# Altium PCB LimeSDR-USB_1v4.PcbDoc (part 7 of 10) (continued)
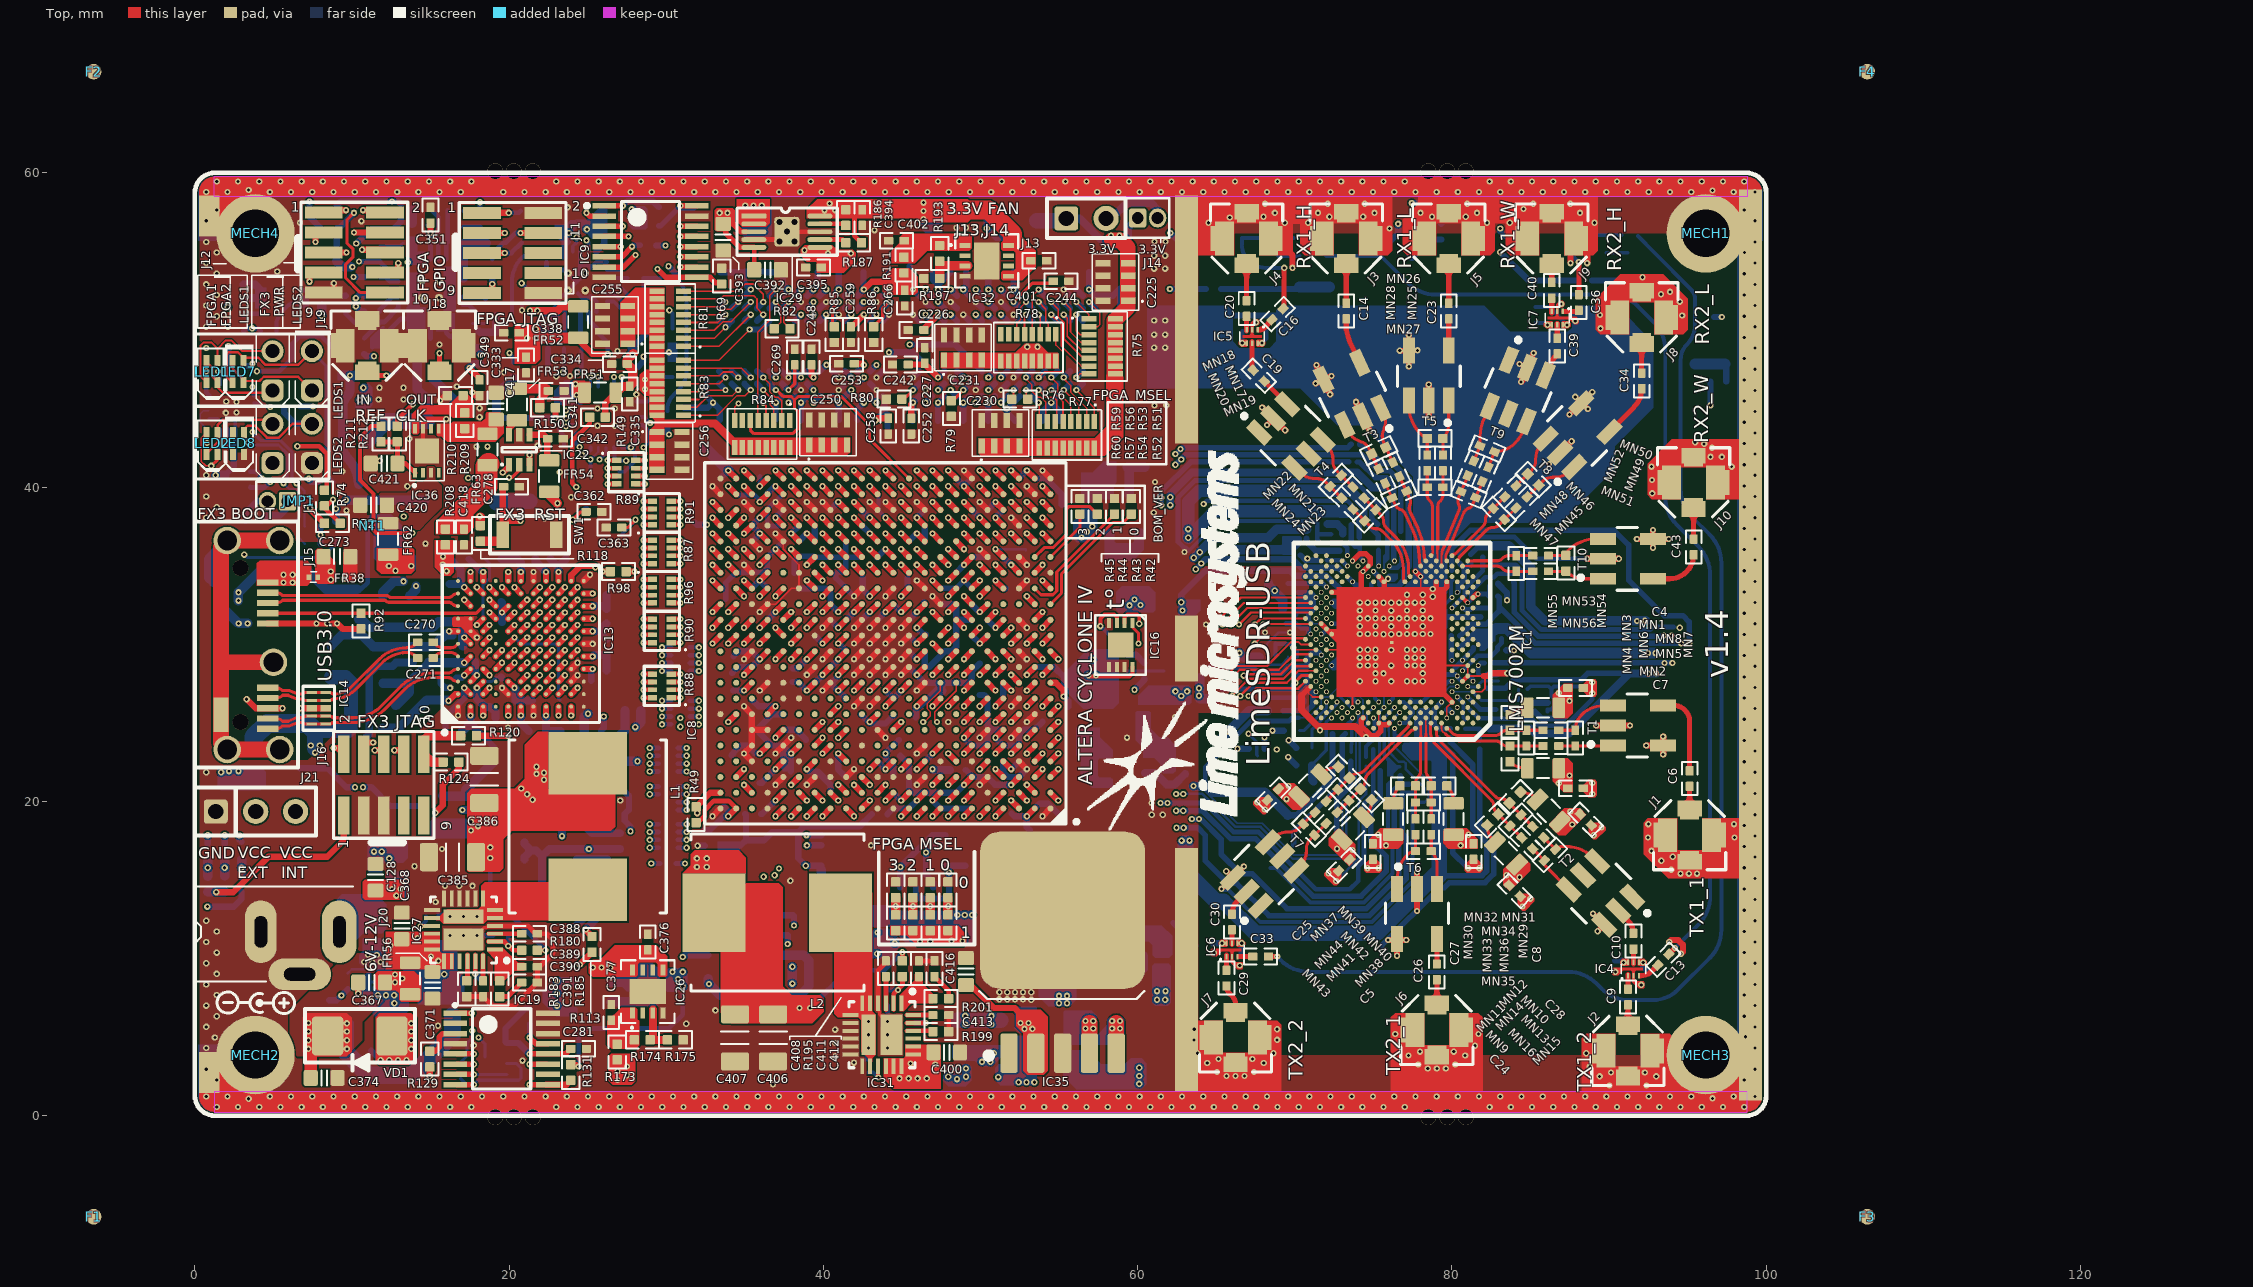
[diagram p0: Top view]
## Nets (pads, with @x,y where several pads share a name; then routed paths per layer and width w, separated by ;. In a path a pad name is that pad's centre, name@x,y a point inside that pad or via, vN(x,y) a via of type N, cw(c..) or ccw(c..) an arc to the next point about the centre after c; other vN are vias at no path point) (continued)
  Bottom w0.4: R122.2@3.25,37.85 3.25,38.4 3.95,39.1 J17.2@4.63,39.1
  Bottom w0.5: v1(17.025,19.45) 18.125,19.45 19.175,18.4 R121.2@20.975,18.4 21.75,18.4 22.095,18.745 IC15.1@22.095,19.85
NetIC15_3: IC15.3 R126.2 | length 3.9
  Bottom w0.5: IC15.3@24.635,19.85 24.635,18.615 25.275,17.975 R126.2@27.075,17.975
NetIC15_7: IC15.7 R123.2 | length 2
  Bottom w0.5: R123.2@22.8,13.275 23.365,13.84 IC15.7@23.365,15.05
NetIC17_16: IC17.16 R132.2 | length 1.2
  Bottom w0.3: R132.2@1.475,42.5 1.575,42.6 IC17.16@1.575,43.675
NetIC19_3: IC19.3 R129.2 | length 2.5
  Top w0.35: R129.2@14.95,4.1 15.3,4.1 15.55,4.35 15.55,5 15.775,5.225 IC19.3@16.575,5.225
NetIC20_3: IC20.3 R139.2 | length 1.3
  Bottom w0.3: IC20.3@24.55,51.138 24.55,49.863 R139.2@24.6,49.813
NetIC20_5: IC20.5 R142.2 | length 1.3
  Bottom w0.3: R142.2@23.5,49.813 23.55,49.863 IC20.5@23.55,51.138
NetIC20_24: IC20.24 R136.1 | length 2.5
  Bottom w0.25: IC20.24@26.225,51.813 26.662,51.813 27.5,50.975 27.5,50.35 R136.1@27.675,50.175
NetIC21_1: IC21.1 R143.1 | length 1.2
  Bottom w0.309: IC21.1@6.9,52.525 R143.1@8.075,52.525
NetIC21_2: IC21.2 IC21.3 R145.2 | length 3
  Bottom w0.254: R145.2@5.2,49.925 5.2,50.3 cw(c6.467,50.3) 5.571,51.196 5.875,51.5 ; 5.875,51.5 cw(c6.539,50.836) 6.539,51.775 7,51.775
NetIC21_5: IC21.5 R144.2 | length 1.1
  Bottom w0.3: R144.2@3.1,50.925 3.2,51.025 IC21.5@4.2,51.025
NetIC23_11: IC23.11 R154.1 | length 3.2
  Bottom w0.3: R154.1@10.775,49.475 11.8,50.5 12.05,50.5 12.95,51.4 IC23.11@12.95,51.6
NetIC23_13: IC23.13 R164.2 | length 1.3
  Bottom w0.3: R164.2@11.775,52.275 12.05,52.275 12.375,52.6 IC23.13@12.95,52.6
NetIC23_14: IC23.14 R165.2 | length 1.3
  Bottom w0.3: R165.2@11.775,53.375 12.125,53.375 12.4,53.1 IC23.14@12.95,53.1
NetIC23_19: IC23.19 R161.1 | length 3.4
  Bottom w0.3: R161.1@14.975,57.725 15.5,57.2 IC23.19@15.5,54.5
NetIC24_6: IC24.6 R155.2 R158.1 | length 3.5
  Bottom w0.25: IC24.6@28.1,45.45 28.825,45.45 29.35,45.975 R158.1@29.35,47 R155.2@30.4,47
NetIC26_3: IC26.3 R174.1 R175.1 | length 3.1
  Top w0.5: IC26.3@29.15,6.75 29.15,5 R174.1@28.975,4.825 R175.1@30.075,4.825
NetIC27_2: IC27.2 R180.2 R184.2 | length 3
  Top w0.309: IC27.2@18.7,11.075 IC27.2@19.1,11.075 19.7,11.075 20.25,10.525 R180.2@20.8,10.525
  Bottom w0.309: v1(19.95,10.8) 19.95,11.45 R184.2@19.975,11.475
NetIC27_22: IC27.22 R183.1 | length 1.6
  Top w0.309: R183.1@17.35,8.625 IC27.22@17.35,10.225
NetIC27_23: IC27.23 R181.1 | length 1.8
  Top w0.309: v1(17.85,9.025) IC27.23@17.85,10.225
  Bottom w0.4: v1(17.85,9.025) R181.1@18.3,8.575
NetIC28_3: IC28.3 R179.1 R182.1 | length 2.6
  Bottom w0.6: IC28.3@58.562,10.175 60.354,10.175 60.365,10.164 R182.1@60.365,9.364
NetIC29_7: IC29.7 R187.2 | length 1.7
  Top w0.3: IC29.7@39.775,55.75 41.225,55.75 R187.2@41.425,55.55
NetIC29_9: IC29.9 R186.2 | length 1.7
  Top w0.3: IC29.9@39.775,56.75 41.325,56.75 R186.2@41.425,56.65
NetIC30_3: IC30.3 R189.2 R190.2 | length 3.1
  Bottom w0.5: IC30.3@60.475,21.8 61.121,21.8 61.846,21.075 R189.2@61.925,21.075 62.35,21.075 R190.2@63.025,21.75
NetIC31_2: IC31.2 R195.2 R200.1 | length 3
  Top w0.309: IC31.2@44.475,6.75 IC31.2@44.475,7.15 44.475,7.75 45.025,8.3 R195.2@45.025,8.85
  Bottom w0.309: R200.1@44.075,8.025 44.1,8 v1(44.75,8)
NetIC31_22: IC31.22 R199.1 | length 1.6
  Top w0.309: IC31.22@45.325,5.4 R199.1@46.925,5.4
NetIC31_23: IC31.23 R196.1 | length 1.9
  Top w0.309: IC31.23@45.325,5.9 IC31.23@45.725,5.9 v1(46.525,5.9)
  Bottom w0.4: R196.1@45.85,5.9 v1(46.525,5.9)
NetIC32_3: IC32.3 R193.1 R197.1 | length 2.3
  Top w0.6: R197.1@47.4,53.275 47.4,54.075 ; 47.7,54.075 IC32.3@49.2,54.075
NetIC33_3: IC33.3 R194.1 R198.2 | length 2.7
  Bottom w0.6: R194.1@59.35,41.25 R198.2@60.45,41.25 ; IC33.3@59.475,39.475 R194.1@59.475,41.125
NetIC34_3: IC34.3 R203.1 R206.1 | length 2.8
  Bottom w0.6: IC34.3@26.472,7.236 R206.1@29.261,7.236
NetIC35_5: IC35.5 R205.2 R207.1 | length 1.9
  Top w1: IC35.5@58.635,3.975 58.635,5.905
  other v1: 58.375,5.55 58.875,5.55 58.375,6.025 58.875,6.025
NetIC36_8: IC36.8 R209.2 R210.2
NetJ12_10: J12.10 R61.2 R63.2 | length 10.2
  Top w0.2: v1(10.125,57.45) 9.675,57 9.675,55.534 10.075,55.134 10.075,54.65 9.6,54.175 9.6,53.309 10.534,52.375 J12.10@12.1,52.375
  Bottom w0.4: R63.2@9.025,55.375 R61.2@9.025,56.475 9.182,56.475 10.125,57.418 v1(10.125,57.45)
NetJ13_1: J13.1 J14.1 VT7.D | length 8
  Bottom w0.5: J13.1@55.455,57.1 56.3,57.1 57.975,55.425 59.053,55.425 59.4,55.772 59.4,56.525 J14.1@60,57.125
  Bottom w1: VT7.D@53.6,56.95 J13.1@55.255,56.95
NetJ16_10: J16.10 R120.1 R124.2 | length 4.8
  Top w0.6: R124.2@15.8,22.5 15.075,22.5 J16.10@14.575,23 14.575,23.9 14.85,24.175 R120.1@16.925,24.175
NetJ18_1: J18.1 R151.1 | length 17.8
  Top w0.325: J18.1@15.575,47.4 v1@15.575,48.445
  L8 w0.1: v1(15.575,48.521) 16.936,49.881 cw(c18.732,48.085) 18.732,50.625 28.691,50.625 ccw(c28.691,52.759) v1(30.2,51.25)
  Bottom w0.254: v1(30.2,51.25) 30.4,51.05 R151.1@30.4,50.1
NetLED1_1: LED1.1 LED1.4 LEDS1.A1 R168.2 | length 19.6
  Top w0.12: LED1.4@0.75,46.65 0.36,47.04 0.36,48.994 0.576,49.21 1.04,49.21 1.445,48.805 1.976,49.335 2.322,49.335 3.007,48.65 LEDS1.A1@4.95,48.65 ; LED1.1@1.45,48.05 1.45,48.805
  L9 w0.1: v1(4.3,40.525) 4.1,40.725 4.1,42.142 4.733,42.775 5.468,42.775 6.2,43.507 6.2,46.873 4.95,48.123 LEDS1.A1@4.95,48.625
  Bottom w0.3: R168.2@3.525,40.975 3.9,40.975 v1@4.3,40.575
NetLED2_1: LED2.1 LED2.4 LEDS2.A1 R169.2 | length 10.9
  Top w0.15: LED2.4@0.75,42.075 0.75,42.143 1.45,42.843 LED2.1@1.45,43.475 1.45,43.95 1.775,44.275 4.7,44.275 LEDS2.A1@4.95,44.025
  L9 w0.1: v1(3.675,47.85) 3.6,47.775 3.6,47.1 4.075,46.625 4.075,45.325 4.95,44.45 LEDS2.A1@4.95,44.025
  Bottom w0.4: R169.2@3.125,47.7 3.525,47.7 v1(3.675,47.85)
NetLED7_1: LED7.1 LED7.4 LEDS1.A2 R170.2 | length 17
  Top w0.15: LED7.4@2.4,46.65 2.025,47.025 2.025,48.443 2.157,48.575 2.75,48.575 3.1,48.225 4.05,48.225 4.5,47.775 6.575,47.775 LEDS1.A2@7.45,48.65
  Bottom w0.2: LEDS1.A2@7.45,48.625 8.35,47.725 8.35,40.85 R170.2@8.875,40.325 ; R170.2@8.788,40.237 R170.2@8.8,40.225
NetLED8_1: LED8.1 LEDS2.A2 R171.2 | length 7.6
  Top w0.15: LED8.1@3.125,43.475 3.125,43.675 3.35,43.9 3.838,43.9 4.588,43.15 5.35,43.15 6.225,44.025 LEDS2.A2@7.45,44.025
  Bottom w0.4: R171.2@5.7,45 5.7,44.725 6.4,44.025 LEDS2.A2@7.45,44.025
NetMN1_1: MN1.1 MN3.2 | length 1.2
  Top w0.2: MN3.2@83.695,25.523 cw(c84.72,24.498) 84.72,25.947 MN1.1@84.805,25.947
NetMN2_1: MN2.1 MN4.2 | length 1.2
  Top w0.2: MN4.2@83.695,22.523 ccw(c84.711,23.538) 84.711,22.102 MN2.1@84.806,22.102
NetMN9_1: MN9.1 MN11.2 | length 1.2
  Top w0.2: MN11.2@82.242,18.466 ccw(c83.678,18.466) 82.663,17.45 MN9.1@82.73,17.383
NetMN10_1: MN10.1 MN12.2 | length 1.2
  Top w0.2: MN12.2@84.364,20.587 cw(c84.364,19.137) 85.389,20.162 MN10.1@85.449,20.102
NetMN29_1: MN29.1 MN31.2 | length 1.2
  Top w0.2: MN31.2@79.68,20.984 cw(c78.656,19.959) 80.105,19.959 MN29.1@80.105,19.874
NetMN30_1: MN30.1 MN32.2 | length 1.2
  Top w0.2: MN30.1@76.26,19.874 76.26,19.969 cw(c77.696,19.969) MN32.2@76.681,20.984
NetMN37_1: MN37.1 MN39.2 | length 1.2
  Top w0.2: MN37.1@71.689,21.711 71.756,21.778 cw(c72.771,20.763) MN39.2@72.771,22.199
NetMN38_1: MN38.1 MN40.2 | length 1.2
  Top w0.2: MN38.1@74.408,18.993 74.468,19.053 ccw(c73.443,20.077) MN40.2@74.892,20.077
NetR14_1: R14.1 VT1.3 VT1.4 | length 6.7
  Bottom w0.4: R14.1@65.325,52.6 VT1.3@70.175,52.6
  Bottom w0.7: VT1.3@70.313,52.737 VT1.4@72.213,52.737
NetR16_1: R16.1 VT3.3 VT3.4 | length 3.8
  Bottom w0.4: 77.47,55.75 R16.1@79.325,55.75
  Bottom w0.7: VT3.3@77.445,54.738 VT3.4@77.445,56.637
NetR17_2: R17.2 VT2.3 VT2.4 | length 3.3
  Bottom w0.4: R17.2@63.275,57.775 VT2.4@64.65,57.775
  Bottom w0.7: VT2.4@64.7,57.825 VT2.3@66.6,57.825
NetR18_1: R18.1 VT4.3 VT4.4 | length 4.2
  Bottom w0.4: R18.1@88.925,53.15 90.975,53.15 VT4.3@91.188,52.937
  Bottom w0.46: VT4.3@91.188,52.937 91.305,52.82 VT4.4@92.97,52.82
NetR20_2: R20.2 VT5.3 VT5.4 | length 3.2
  Bottom w0.4: R20.2@84.425,56.975 84.575,57.125 85.425,57.125 VT5.4@85.575,57.275
  Bottom w0.7: VT5.4@85.575,57.275 VT5.3@87.475,57.275
NetR21_1: R21.1 VT6.3 VT6.4 | length 2.9
  Bottom w0.4: R21.1@97.462,46.72 VT6.4@97.462,47.687
  Bottom w0.7: VT6.3@95.475,47.825 VT6.4@97.375,47.825
NetR137_2: R137.2 R143.2 XO1.4 XO2.3 | length 18
  L8 w0.3: v1(8.075,50.9) 8.075,49.725 8.65,49.15 8.65,40.95 9.625,39.975 v1(9.625,39.175)
  Bottom w0.6: v1(8.075,50.9) R143.2@8.075,51.525 ; v1(9.625,39.175) R137.2@10.425,39.175 XO2.3@14.65,39.175
NetR138_1: R138.1 XO1.6 | length 2.7
  Bottom w0.6: R138.1@15.15,46.9 17,45.05 XO1.6@17,44.975
NetRA1_2: RA1.2 VT1.2 | length 1.5
  Bottom w0.254: RA1.2@68.825,54.85 68.963,54.712 VT1.2@70.288,54.712
NetRA5_2: RA5.2 VT4.2 | length 1.3
  Bottom w0.254: RA5.2@89.838,54.912 VT4.2@91.163,54.912
PWR_SRC: IC8.B22 R48.2 R49.1 R50.2 | length 36.2
  Top w0.4: v1(31.975,19.25) 31.975,19.725 32.8,20.55 IC8.B22@33.45,20.55
  L9 w0.1: v1(9.325,7.65) 9.325,8.925 10.525,10.125 10.525,13 12.5,14.975 28.475,14.975 29.1,14.35 30.3,14.35 30.95,15 30.95,18.554 31.646,19.25 v1(31.975,19.25)
  Bottom w0.4: R50.2@8.55,7.35 9.025,7.35 R48.2@9.725,8.05
REF_ADF: C344.2 IC20.13 | length 6.2
  Bottom w0.254: C344.2@20.175,50.9 20.175,53.039 cw(c22.405,53.039) 20.416,54.048 cw(c22.405,53.039) 20.828,54.615 cw(c21.877,53.323) 21.877,54.988 IC20.13@23.05,54.988
REF_CLK_IN: C354.1 J19.1 R147.2 | length 2.9
  Top w0.325: J19.1@10.975,47.4 ccw(c11.275,47.4) 11.275,47.1 v1(12.19,47.1)
  Bottom w0.254: R147.2@11.425,47.1 12.09,47.1 ccw(c12.09,48.21) C354.1@12.875,47.425
REF_CLK_OUT: IC20.17 R151.2 R155.1 | length 9.9
  L3 w0.1: v1(24.925,55.7) 24.925,55.202 ccw(c27.465,55.202) 25.669,53.406 29.945,49.13 cw(c29.39,48.575) v1(30.175,48.575)
  Bottom w0.25: v1(24.925,55.7) 25.05,55.575 IC20.17@25.05,54.988
RXPLL_CLK: C325.2 IC1.AM24 R142.1 | length 66.2
  L10 w0.1: v1(23.425,47.325) 24.772,48.672 cw(c26.227,47.218) 26.227,49.275 27.623,49.275 cw(c27.623,46.735) 29.419,48.531 29.606,48.344 cw(c27.81,46.548) 30.35,46.548 30.35,46.096 ccw(c32.89,46.096) 30.621,44.954 ccw(c32.89,46.096) 31.094,44.3 31.456,43.937 cw(c29.66,42.141) 32.2,42.141 32.2,34.553 ccw(c33.153,34.553) 33.153,33.6 40.067,33.6 ccw(c40.067,34.283) 40.55,33.8 cw(c41.033,33.317) 41.033,34 45.203,34 cw(c45.203,33.403) 45.625,33.825 ccw(c46.168,34.368) 46.168,33.6 53.986,33.6 ccw(c53.986,34.539) 54.65,33.875 cw(c55.374,33.151) 55.374,34.175 72.65,34.175 ccw(c72.65,35.541) 73.616,34.575 v4(74.012,34.971)
  Bottom w0.254: v1(23.425,47.325) 23.5,47.4 C325.2@23.5,47.775 ; C325.2@23.5,47.763 R142.1@23.5,48.813
RXRF1_HAB_N: IC1.AJ15 MN23.1 MN24.2 | length 6.1
  Top w0.2: MN24.2@73.703,38.59 MN23.1@74.445,37.848 74.794,37.5 ccw(c75.153,37.859) 75.153,37.351 75.199,37.351 cw(c75.199,36.843) 75.558,37.202 76.158,36.602 cw(c74.344,34.789) 76.909,34.789 76.909,34.705 76.909,34.214 ccw(c77.25,34.214) IC1.AJ15@77.009,33.972
RXRF1_HAB_P: IC1.AK14 MN21.2 MN23.2 | length 6
  Top w0.2: MN21.2@74.41,39.297 MN23.2@75.153,38.555 75.501,38.207 cw(c75.141,37.848) 75.649,37.848 75.649,37.802 ccw(c76.157,37.802) 75.798,37.443 76.398,36.843 cw(c74.361,34.805) 77.242,34.805 77.242,34.722 77.242,34.547 ccw(c77.583,34.547) IC1.AK14@77.342,34.305
RXRF1_HBB_N: MN22.1 MN24.1 T4.6 | length 3.7
  Top w0.2: T4.6@70.005,41.199 70.213,40.992 ccw(c71.29,42.069) 71.29,40.545 71.383,40.545 cw(c71.383,39.664) 72.006,40.287 72.228,40.065 MN22.1@72.253,40.04 MN24.1@72.996,39.297
RXRF1_HBB_P: MN21.1 MN22.2 T4.4 | length 3.7
  Top w0.2: T4.4@71.776,43.021 71.984,42.813 cw(c70.906,41.735) 72.43,41.735 72.43,41.642 ccw(c73.311,41.642) 72.688,41.019 ; 72.713,40.994 MN22.2@72.961,40.747 73.42,40.287 MN21.1@73.703,40.004
RXRF1_LAB_N: IC1.AM12 MN19.1 MN20.2 | length 5.8
  Top w0.2: MN20.2@75.755,40.245 76.199,39.294 76.407,38.847 ccw(c76.868,39.062) 76.694,38.585 76.737,38.569 cw(c76.563,38.092) 77.024,38.306 ; 77.037,38.278 77.53,37.221 cw(c72.932,35.248) 77.935,35.269 ccw(c78.277,35.269) IC1.AM12@78.035,35.027
RXRF1_LAB_P: IC1.AN11 MN17.2 MN19.2 | length 5.7
  Top w0.2: MN17.2@76.662,40.668 77.105,39.716 77.313,39.27 cw(c76.853,39.055) 77.33,38.882 77.315,38.839 ccw(c77.792,38.665) 77.332,38.45 77.838,37.365 cw(c73.24,35.391) 78.241,35.546 ccw(c78.582,35.546) IC1.AN11@78.341,35.304
RXRF1_LBB_N: MN18.1 MN20.1 T3.3 | length 3.7
  Top w0.2: T3.3@73.173,43.962 73.297,43.696 ccw(c74.678,44.34) 74.157,42.908 74.244,42.876 cw(c73.942,42.048) 74.741,42.42 MN18.1@74.889,42.103 MN20.1@75.333,41.152
RXRF1_LBB_P: MN17.1 MN18.2 T3.1 | length 3.7
  Top w0.2: T3.1@75.475,45.035 75.653,44.653 cw(c74.552,44.14) 75.693,43.724 75.618,43.517 ccw(c76.446,43.215) 75.647,42.843 MN18.2@75.795,42.526 76.07,41.937 MN17.1@76.239,41.574
RXRF1_WAB_N: IC1.AP10 MN27.2 MN28.2 | length 5.5
  Top w0.16: IC1.AP10@78.674,35.637 ccw(c78.428,35.884) 78.776,35.884 78.776,36.019 cw(c78.824,36.067) 78.756,36.067
  Top w0.2: MN28.2@78.426,41.042 MN27.2@78.426,39.992 78.426,39.5 ccw(c78.934,39.5) 78.575,39.141 78.607,39.109 cw(c78.248,38.749) 78.756,38.749 78.756,36.067
RXRF1_WAB_P: IC1.AN9 MN25.2 MN27.1 | length 5.9
  Top w0.14: IC1.AN9@79.007,35.304 ccw(c78.84,35.471) 79.076,35.471 79.076,35.769
  Top w0.16: 79.076,35.769 79.076,36.023 ccw(c79.028,36.071) 79.096,36.071
  Top w0.2: 79.096,36.071 79.096,38.749 cw(c79.604,38.749) 79.245,39.109 79.277,39.141 ccw(c78.918,39.5) 79.426,39.5 MN27.1@79.426,39.992 MN25.2@79.426,41.042
RXRF1_WBB_N: MN26.1 MN28.1 T5.3 | length 3.9
  Top w0.2: T5.3@77.256,45.502 77.256,45.197 ccw(c79.796,45.197) 78,43.401 78.226,43.175 ccw(c78.426,43.376) MN26.1@78.426,43.092 MN28.1@78.426,42.042
RXRF1_WBB_P: MN25.1 MN26.2 T5.1 | length 3.6
  Top w0.2: MN25.1@79.426,42.042 MN26.2@79.426,43.092 ccw(c78.533,43.986) 79.796,43.986 T5.1@79.796,45.502
RXRF2_HAB_N: IC1.AM8 MN51.1 MN52.2 | length 6.1
  Top w0.11: IC1.AM8@79.34,34.971 79.34,35.567
  Top w0.15: 79.34,35.567 cw(c80.399,35.567) 79.439,36.015
  Top w0.2: 79.421,36.046 79.515,36.249 ; 79.508,36.245 80.452,38.524 ; 80.437,38.487 ccw(c79.968,38.681) 80.437,38.876 80.42,38.918 cw(c80.889,39.113) 80.42,39.307 MN51.1@80.589,39.716 MN52.2@81.01,40.732
RXRF2_HAB_P: IC1.AN7 MN49.2 MN51.2 | length 5.6
  Top w0.14: 79.605,35.469 ccw(c79.837,35.469) IC1.AN7@79.673,35.304
  Top w0.15: 79.605,35.469 79.605,35.523 cw(c80.417,35.523) 79.681,35.866
  Top w0.2: 79.726,35.894 79.82,36.096 ; 79.819,36.106 80.751,38.357 cw(c81.221,38.162) 81.026,38.632 81.069,38.649 ccw(c80.874,39.119) 81.344,38.924 MN51.2@81.513,39.333 MN49.2@81.934,40.349
RXRF2_HBB_N: MN50.1 MN52.1 T9.6 | length 3.7
  Top w0.2: MN52.1@81.393,41.656 MN50.1@81.794,42.626 81.795,43.253 cw(c84.335,43.253) T9.6@82.538,45.049
RXRF2_HBB_P: MN49.1 MN50.2 T9.4 | length 4.5
  Top w0.2: MN49.1@82.317,41.273 82.47,41.643 MN50.2@82.718,42.243 ccw(c82.718,44.028) 83.98,42.766 84.004,42.789 ccw(c82.208,44.586) T9.4@84.748,44.586
RXRF2_LAB_N: IC1.AP6 MN47.1 MN48.2 | length 5.1
  Top w0.2: IC1.AP6@80.006,35.637 80.041,35.672 cw(c80.199,35.514) 80.199,35.737 81.983,37.522 ccw(c81.624,37.881) 82.132,37.881 82.132,37.927 cw(c82.64,37.927) 82.28,38.286 82.628,38.634 MN48.2@83.371,39.376
RXRF2_LAB_P: IC1.AN5 MN45.2 MN47.2 | length 5.1
  Top w0.2: IC1.AN5@80.339,35.304 80.374,35.339 ccw(c80.215,35.497) 80.439,35.497 82.223,37.281 cw(c82.582,36.922) 82.582,37.43 82.628,37.43 ccw(c82.628,37.938) 82.987,37.579 83.336,37.927 MN45.2@84.078,38.669
RXRF2_LBB_N: MN46.1 MN48.1 T8.3 | length 3.7
  Top w0.2: MN48.1@84.078,40.083 MN46.1@84.82,40.826 84.846,40.851 85.068,41.073 ccw(c84.445,41.697) 85.326,41.696 85.326,41.789 cw(c86.85,41.789) 85.772,42.867 T8.3@85.98,43.075
RXRF2_LBB_P: MN45.1 MN46.2 T8.1 | length 3.7
  Top w0.2: MN45.1@84.785,39.376 85.068,39.659 MN46.2@85.528,40.119 85.775,40.366 cw(c86.398,39.743) 86.398,40.624 86.491,40.624 ccw(c86.491,42.148) 87.568,41.071 T8.1@87.776,41.278
RXRF2_WAB_N: IC1.AM4 MN55.2 MN56.2 | length 4.6
  Top w0.11: IC1.AM4@80.672,34.971 81.226,34.971
  Top w0.2: 81.226,34.971 81.373,34.971 81.377,34.968 82.851,34.968 cw(c82.851,34.46) 83.21,34.819 83.243,34.787 ccw(c83.602,35.146) 83.602,34.638 MN55.2@84.094,34.638 MN56.2@85.144,34.638
RXRF2_WAB_P: IC1.AN3 MN53.2 MN55.1 | length 4.2
  Top w0.2: IC1.AN3@81.005,35.304 81.369,35.304 81.373,35.308 82.851,35.308 ccw(c82.851,35.816) 83.21,35.457 83.243,35.489 cw(c83.602,35.13) 83.602,35.638 MN55.1@84.094,35.638 MN53.2@85.144,35.638
RXRF2_WBB_N: MN54.1 MN56.1 T10.1 | length 3.5
  Top w0.2: MN56.1@86.144,34.638 86.544,34.638 MN54.1@87.194,34.638 ; MN54.1@87.254,34.643 ccw(c88.401,35.79) 88.401,34.168 T10.1@89.604,34.168
RXRF2_WBB_P: MN53.1 MN54.2 T10.3 | length 3.8
  Top w0.2: MN53.1@86.144,35.638 MN54.2@87.194,35.638 ; MN54.2@87.254,35.643 cw(c87.704,35.643) 87.386,35.961 87.389,35.964 cw(c89.185,34.168) 89.185,36.708 T10.3@89.604,36.708
SI5351_XTAL_N: C363.2 IC24.2 XT2.3 | length 15.3
  Top w0.2: C363.2@27.175,37.425 27.55,37.425 v1(28.05,37.925)
  L9 w0.2: v1(25.675,47) 25.575,46.9 25.575,46.151 25.075,45.651 25.075,44.001 23.925,42.851 23.925,41.274 26.2,38.999 26.2,38.4 26.675,37.925 v1(28.05,37.925)
  Bottom w0.2: IC24.2@25.675,46.375 v1(25.675,47) ; XT2.3@27.175,37 28.05,37.875 v1(28.05,37.925)
SI5351_XTAL_P: C362.2 IC24.1 XT2.1 | length 15.2
  Top w0.2: v1(24.05,37.925) 24.55,38.425 C362.2@24.9,38.425
  L9 w0.2: v1(24.05,37.925) 25.425,37.925 25.9,38.4 25.9,38.875 23.625,41.15 23.625,42.975 24.775,44.125 24.775,45.775 25.275,46.275 25.275,46.9 v1(25.175,47)
  Bottom w0.2: v1(24.05,37.925) 24.825,38.7 XT2.1@24.975,38.7 ; IC24.1@25.175,46.375 v1(25.175,47)
SI_CLK0: IC8.T2 IC24.13 | length 70.2
  Top w0.4: IC8.T2@53.45,34.55 v2(53.95,35.05)
  L10 w0.1: v1(25.75,41.75) 25.4,41.4 24.805,41.4 21.9,44.305 21.9,48.25 24.525,50.875 32.275,50.875 33.7,52.3 33.7,54.05 34.795,55.145 38.375,55.145 39.13,55.9 53.37,55.9 56.45,52.82 56.45,50.83 53.3,47.68 53.3,35.7 v2(53.95,35.05)
  Bottom w0.2: v1(25.75,41.75) 26.175,42.175 IC24.13@26.175,42.525
SI_CLK1: IC8.AA12 IC24.12 | length 40
  Top w0.4: v1(42.95,40.05) IC8.AA12@43.45,39.55
  L10 w0.1: v1(27.45,41.675) 27.355,41.675 22.55,46.48 22.55,48.051 24.774,50.275 31.675,50.275 33.775,48.175 41.25,48.175 42.2,47.225 42.2,41.95 42.475,41.675 42.475,40.525 v1(42.95,40.05)
  Bottom w0.25: IC24.12@26.675,42.525 26.7,42.5 26.7,41.875 26.9,41.675 v1(27.45,41.675)
SI_CLK2: IC8.AB12 IC24.9 | length 18.1
  Top w0.4: v1(42.95,41.05) IC8.AB12@43.45,40.55
  L6 w0.1: v1(28.55,42.525) 30.25,42.525 30.9,41.875 35.7,41.875 36.85,40.725 42.625,40.725 v1(42.95,41.05)
  Bottom w0.25: IC24.9@28.1,43.95 28.499,43.95 28.875,43.574 28.875,42.85 v1(28.55,42.525)
SI_CLK3: IC8.T22 IC24.8 | length 15
  Top w0.4: v1(32.95,35.05) IC8.T22@33.45,34.55
  L3 w0.1: v1(28.975,44.075) 28.2,43.3 28.2,42.275 28.4,42.075 28.85,42.075 30.525,40.4 30.525,35.005 30.755,34.775 32.675,34.775 v1(32.95,35.05)
  Bottom w0.25: IC24.8@28.1,44.45 28.6,44.45 v1(28.975,44.075)
SI_CLK4: IC24.19 R148.2 | length 8.3
  L4 w0.1: v1(23.625,44.875) cw(c23.625,44.09) 24.18,44.645 24.731,44.094 ccw(c26.527,45.89) 26.527,43.35 v1(30.175,43.35)
  Bottom w0.25: v1(23.625,44.875) 23.7,44.95 IC24.19@24.25,44.95 ; R148.2@30.025,43.875 R148.2@30.05,43.9
  Bottom w0.4: R148.2@30.075,43.85 30.075,43.45 v1(30.175,43.35)
SI_CLK5: IC8.G1 IC24.17 | length 42.8
  Top w0.4: IC8.G1@54.45,25.55 v2(54.95,26.05)
  L10 w0.1: v1(23.625,43.85) 24.897,43.85 27.1,41.647 27.1,41.045 30.062,38.083 30.062,35.468 31.2,34.33 31.2,33.35 32.175,32.375 40.325,32.375 40.617,32.667 47.508,32.667 47.85,32.325 48.2,32.325 54.475,26.05 v2(54.95,26.05)
  Bottom w0.25: v1(23.625,43.85) 23.725,43.95 IC24.17@24.25,43.95
SI_CLK6: IC8.AA11 IC24.16 | length 38.7
  Top w0.4: v1(43.95,40.05) IC8.AA11@44.45,39.55
  L10 w0.1: v1(24.475,42.55) 24.305,42.55 22.3,44.555 22.3,48.084 24.691,50.475 31.758,50.475 33.858,48.375 41.333,48.375 42.458,47.25 42.675,47.25 42.85,47.075 42.85,43.825 43.475,43.2 43.475,40.525 v1(43.95,40.05)
  Bottom w0.25: IC24.16@24.25,43.45 24.25,42.775 v1(24.475,42.55)
SI_CLK7: IC8.AB11 IC24.15 | length 38.7
  Top w0.4: v1(43.95,41.05) IC8.AB11@44.45,40.55
  L10 w0.1: v1(24.65,42.05) 24.48,42.05 22.1,44.43 22.1,48.167 24.608,50.675 31.841,50.675 33.941,48.575 41.416,48.575 42.541,47.45 42.758,47.45 43.05,47.158 43.05,43.908 43.725,43.233 43.725,41.275 v1(43.95,41.05)
  Bottom w0.25: v1(24.65,42.05) 24.874,42.05 25.175,42.351 IC24.15@25.175,42.525
TCXO_VC: R150.1 R157.2 XO1.1 XO2.1 | length 7.6
  Top w0.4: v1(22.95,44.4) R150.1@22.95,45.05
  Bottom w0.4: XO2.1@19.2,44.4 v1(22.95,44.4)
  Bottom w0.6: XO2.1@19.2,44.225 19.2,45.882 R157.2@20.26,46.943
TX1_2_LB_AT: C15.1 IC8.E16 R14.2 | length 156.5
  Top w0.4: IC8.E16@39.45,23.55 v1(39.95,24.05)
  L4 w0.1: v1(39.95,24.05) 39.738,24.05 38.7,23.012 38.7,22.525 37.475,21.3 37.475,19.929 36.675,19.129 36.675,18.941 37.575,18.041 37.575,16.846 39.021,15.4 41.784,15.4 43.109,14.075 52.484,14.075 60.309,6.25 63.976,6.25 65.226,5 67.299,5 69.324,7.025 75.761,7.025 77.736,5.05 80.464,5.05 83.164,7.75 92.85,7.75 97.2,12.1 97.2,36.466 97.5,36.766 97.5,39.764 94.7,42.564 94.7,49.714 88.664,55.75 88.425,55.75 65.2,55.75 v1(62.05,52.6)
  Bottom w0.4: v1(62.05,52.6) C15.1@63.275,52.6 R14.2@64.325,52.6
TX1_2_LB_H: C11.2 C22.2 IC4.4 IC5.6 IC8.F15 | length 152
  Top w0.4: IC8.F15@40.45,24.55 v1(40.95,25.05)
  L4 w0.1: v1(40.95,25.05) 40.325,24.425 40.325,23.93 39.995,23.6 39.571,23.6 38.9,22.929 38.9,22.442 37.689,21.231 37.689,19.709 37.3,19.319 37.3,18.759 37.775,18.284 37.775,16.949 38.449,16.275 39.642,16.275 40.317,15.6 41.867,15.6 43.192,14.275 52.567,14.275 60.392,6.45 64.059,6.45 65.309,5.2 67.216,5.2 69.241,7.225 75.844,7.225 77.819,5.25 80.381,5.25 84.631,9.5 90.545,9.5 90.72,9.325 91.75,9.325 v1(92.175,9.75) 92.175,10 97,14.825 97,36.549 97.3,36.849 97.3,39.682 94.5,42.481 94.5,49.631 88.581,55.55 88.288,55.55 72.4,55.55 69.9,53.05 69.9,50.108 68.951,49.159 v1(67.909,49.159)
  Bottom w0.254: v1(67.909,49.159) 68.2,49.45 C22.2@68.2,49.925
  Bottom w0.4: v1(92.175,9.75) 92.175,9.475 C11.2@92.571,9.079
TX1_2_LB_L: C12.2 C21.2 IC4.6 IC5.4 IC8.F14 | length 151
  Top w0.4: v1(40.95,24.05) IC8.F14@41.45,24.55
  L4 w0.1: v1(40.95,24.05) 40.889,24.05 40.239,23.4 39.805,23.4 39.3,22.895 39.3,21.905 39.095,21.7 38.775,21.7 38.3,21.225 38.3,20.743 37.975,20.418 37.975,19.711 37.5,19.236 37.5,18.842 37.975,18.367 37.975,17.031 38.531,16.475 39.725,16.475 40.4,15.8 41.95,15.8 43.275,14.475 52.65,14.475 60.475,6.65 64.142,6.65 65.392,5.4 67.133,5.4 69.158,7.425 75.926,7.425 77.901,5.45 80.299,5.45 84.599,9.75 v1(90.925,9.75) 91.68,9.75 91.975,10.045 91.975,10.083 96.8,14.908 96.8,36.631 97.1,36.931 97.1,39.599 94.3,42.399 94.3,49.549 88.499,55.35 72.483,55.35 70.1,52.967 70.1,50.025 68.825,48.75 67.067,48.75 v1(66.659,49.159)
  Bottom w0.254: v1@66.675,49.175 C21.2@66.675,49.925
  Bottom w0.4: C12.2@90.4,9.875 90.8,9.875 v1(90.925,9.75)
TX1_2_LB_SH: C17.1 C18.1 IC8.G15 R16.2 R17.1 | length 164.1
  Top w0.4: IC8.G15@40.45,25.55 v1(40.95,26.05)
  L4 w0.1: v1(40.95,26.05) 40.353,25.453 40.353,24.947 38.5,23.095 38.5,22.812 37.163,21.475 36.883,21.475 36.475,21.067 36.475,18.858 37.375,17.958 37.375,16.764 38.939,15.2 41.701,15.2 43.026,13.875 52.401,13.875 60.226,6.05 63.894,6.05 65.144,4.8 67.381,4.8 69.406,6.825 75.678,6.825 77.653,4.85 80.547,4.85 83.247,7.55 92.933,7.55 97.4,12.017 97.4,36.383 97.7,36.683 97.7,39.847 94.9,42.647 94.9,49.797 88.747,55.95 88.508,55.95 78,55.95 77.45,56.5 ; v1(62.075,56.175) 62.3,55.95 76.9,55.95 77.45,56.5 ; v1(77.45,58.075) 77.45,56.5
  Bottom w0.4: v1(62.075,56.175) 62.55,55.7 C18.1@63.275,55.7 R17.1@63.275,56.775 ; v1(77.45,58.075) 79.05,58.075 C17.1@79.325,57.8 R16.2@79.325,56.75
TX2_2_LB_AT: C35.1 IC8.E15 R18.2 | length 131.5
  Top w0.4: v1(39.95,23.05) IC8.E15@40.45,23.55
  L4 w0.1: v1(39.95,23.05) 39.5,22.6 39.5,21.822 39.178,21.5 38.858,21.5 38.5,21.142 38.5,20.661 38.175,20.336 38.175,19.629 37.7,19.154 37.7,18.925 38.175,18.45 38.175,17.114 38.614,16.675 39.808,16.675 40.483,16 42.033,16 43.358,14.675 52.733,14.675 60.558,6.85 64.225,6.85 65.475,5.6 67.05,5.6 69.075,7.625 76.009,7.625 77.984,5.65 80.216,5.65 84.516,9.95 90.1,9.95 91.05,10.9 92.509,10.9 96.6,14.991 96.6,36.714 96.9,37.014 96.9,39.516 94.1,42.316 94.1,49.466 88.416,55.15 83.275,55.15 v1(83.075,54.95)
  Bottom w0.4: v1(83.075,54.95) 84.875,53.15 C35.1@86.875,53.15 R18.2@87.925,53.15
TX2_2_LB_H: C31.2 C42.2 IC6.4 IC7.6 IC8.H11 | length 126.9
  Top w0.4: v1(43.95,26.05) IC8.H11@44.45,26.55
  L4 w0.1: v1(43.95,26.05) 43.95,25.555 42.995,24.6 42.429,24.6 41.429,23.6 40.722,23.6 40.4,23.278 40.4,22.571 39.925,22.096 39.925,21.183 39.362,20.62 38.742,20.62 38.375,20.253 38.375,17.197 38.697,16.875 39.891,16.875 40.566,16.2 42.117,16.2 43.417,14.9 52.792,14.9 56.917,10.775 65,10.775 65.225,10.55 66.2,10.55 v1(66.625,10.975) 69.775,7.825 76.092,7.825 78.067,5.85 80.133,5.85 84.433,10.15 90.017,10.15 90.967,11.1 92.426,11.1 96.4,15.074 96.4,36.797 96.7,37.097 96.7,39.433 93.9,42.233 93.9,49.383 91.608,51.675 88.325,51.675 87.325,50.675 v1(87.325,50.325)
  Bottom w0.254: C42.2@85.325,51.45 86.2,51.45 v1(87.325,50.325)
  Bottom w0.4: C31.2@66.625,10.3 v1(66.625,10.975)
TX2_2_LB_L: C32.2 C41.2 IC6.6 IC7.4 IC8.F11 | length 125.1
  Top w0.4: IC8.F11@44.45,24.55 v1(44.95,25.05)
  L4 w0.1: v1(44.95,25.05) 44.3,24.4 43.825,24.4 43.225,23.8 41.912,23.8 41.512,23.4 40.805,23.4 40.6,23.195 40.6,22.488 40.125,22.013 40.125,21.1 39.445,20.42 38.825,20.42 38.575,20.17 38.575,18.775 40.95,16.4 42.2,16.4 43.5,15.1 52.875,15.1 57,10.975 v1(65.375,10.975) 66.13,10.975 66.48,11.325 66.77,11.325 66.975,11.12 66.975,10.908 69.858,8.025 76.175,8.025 78.15,6.05 80.05,6.05 84.35,10.35 89.934,10.35 90.884,11.3 92.344,11.3 96.2,15.156 96.2,36.88 96.5,37.18 96.5,39.35 93.7,42.15 93.7,49.3 91.525,51.475 88.475,51.475 88.2,51.2 88.2,50.43 87.745,49.975 86.425,49.975 v1(86.075,50.325)
  Bottom w0.254: C41.2@85.325,50.45 85.95,50.45 v1(86.075,50.325)
  Bottom w0.4: C32.2@64.775,10.975 v1(65.375,10.975)
TX2_2_LB_SH: C37.1 C38.1 IC8.F16 R20.1 R21.2 | length 139.6
  Top w0.4: IC8.F16@39.45,24.55 v1(39.95,25.05)
  L4 w0.1: v1(39.95,25.05) 38.3,23.4 38.3,22.895 37.08,21.675 36.8,21.675 36.275,21.15 36.275,18.775 37.175,17.875 37.175,16.681 38.856,15 41.619,15 42.944,13.675 52.319,13.675 60.144,5.85 63.811,5.85 65.061,4.6 67.464,4.6 69.489,6.625 75.595,6.625 77.57,4.65 80.63,4.65 83.33,7.35 93.016,7.35 97.6,11.934 97.6,36.3 97.9,36.6 97.9,39.93 95.1,42.73 95.1,44.775 95.525,45.2 ; v1(83.075,56.45) 83.375,56.15 88.6,56.15 88.83,56.15 95.1,49.88 95.1,45.625 95.525,45.2 ; v1@96.45,45.2 95.525,45.2
  Bottom w0.4: v1(83.075,56.45) 83.075,56.275 83.375,55.975 R20.1@84.425,55.975 ; v1(96.455,45.21) C38.1@96.455,45.66 R21.2@96.455,46.712
TXPLL_CLK: C324.2 IC1.E5 R139.1 | length 73.4
  L10 w0.1: v1(24.325,47.3) 24.331,47.306 cw(c26.127,45.51) 26.127,48.05 27.073,48.05 cw(c27.073,45.51) 28.869,47.306 cw(c27.164,45.601) 29.575,45.601 29.575,45.594 ccw(c32.115,45.594) 30.091,44.059 ccw(c32.115,45.594) 30.319,43.797 31.009,43.107 cw(c28.985,41.573) 31.525,41.573 31.525,34.875 ccw(c33,34.875) 33,33.4 40.242,33.4 ccw(c40.242,34.083) 40.725,33.6 cw(c41.147,33.178) 41.147,33.775 45.053,33.775 cw(c45.053,33.178) 45.475,33.6 ccw(c45.958,34.083) 45.958,33.4 65.248,33.4 cw(c65.248,30.86) 67.044,32.656 67.231,32.469 ccw(c69.027,34.265) 69.027,31.725 70.007,31.725 cw(c70.007,30.957) 70.55,31.5 ccw(c71.032,31.982) 71.032,31.3 71.375,31.3 cw(c71.375,30.577) 71.887,31.088 72.056,30.919 ccw(c73.852,32.715) 73.852,30.175 77.95,30.175 cw(c77.95,29.425) 78.7,29.425 78.7,28.55 ccw(c80.947,28.55) 79.358,26.961 v4(80.339,25.98)
  Bottom w0.254: v1(24.325,47.3) 24.6,47.575 C324.2@24.6,47.775 R139.1@24.6,48.813